# Altium PCB MC3.PcbDoc (part 1 of 4) (continued)
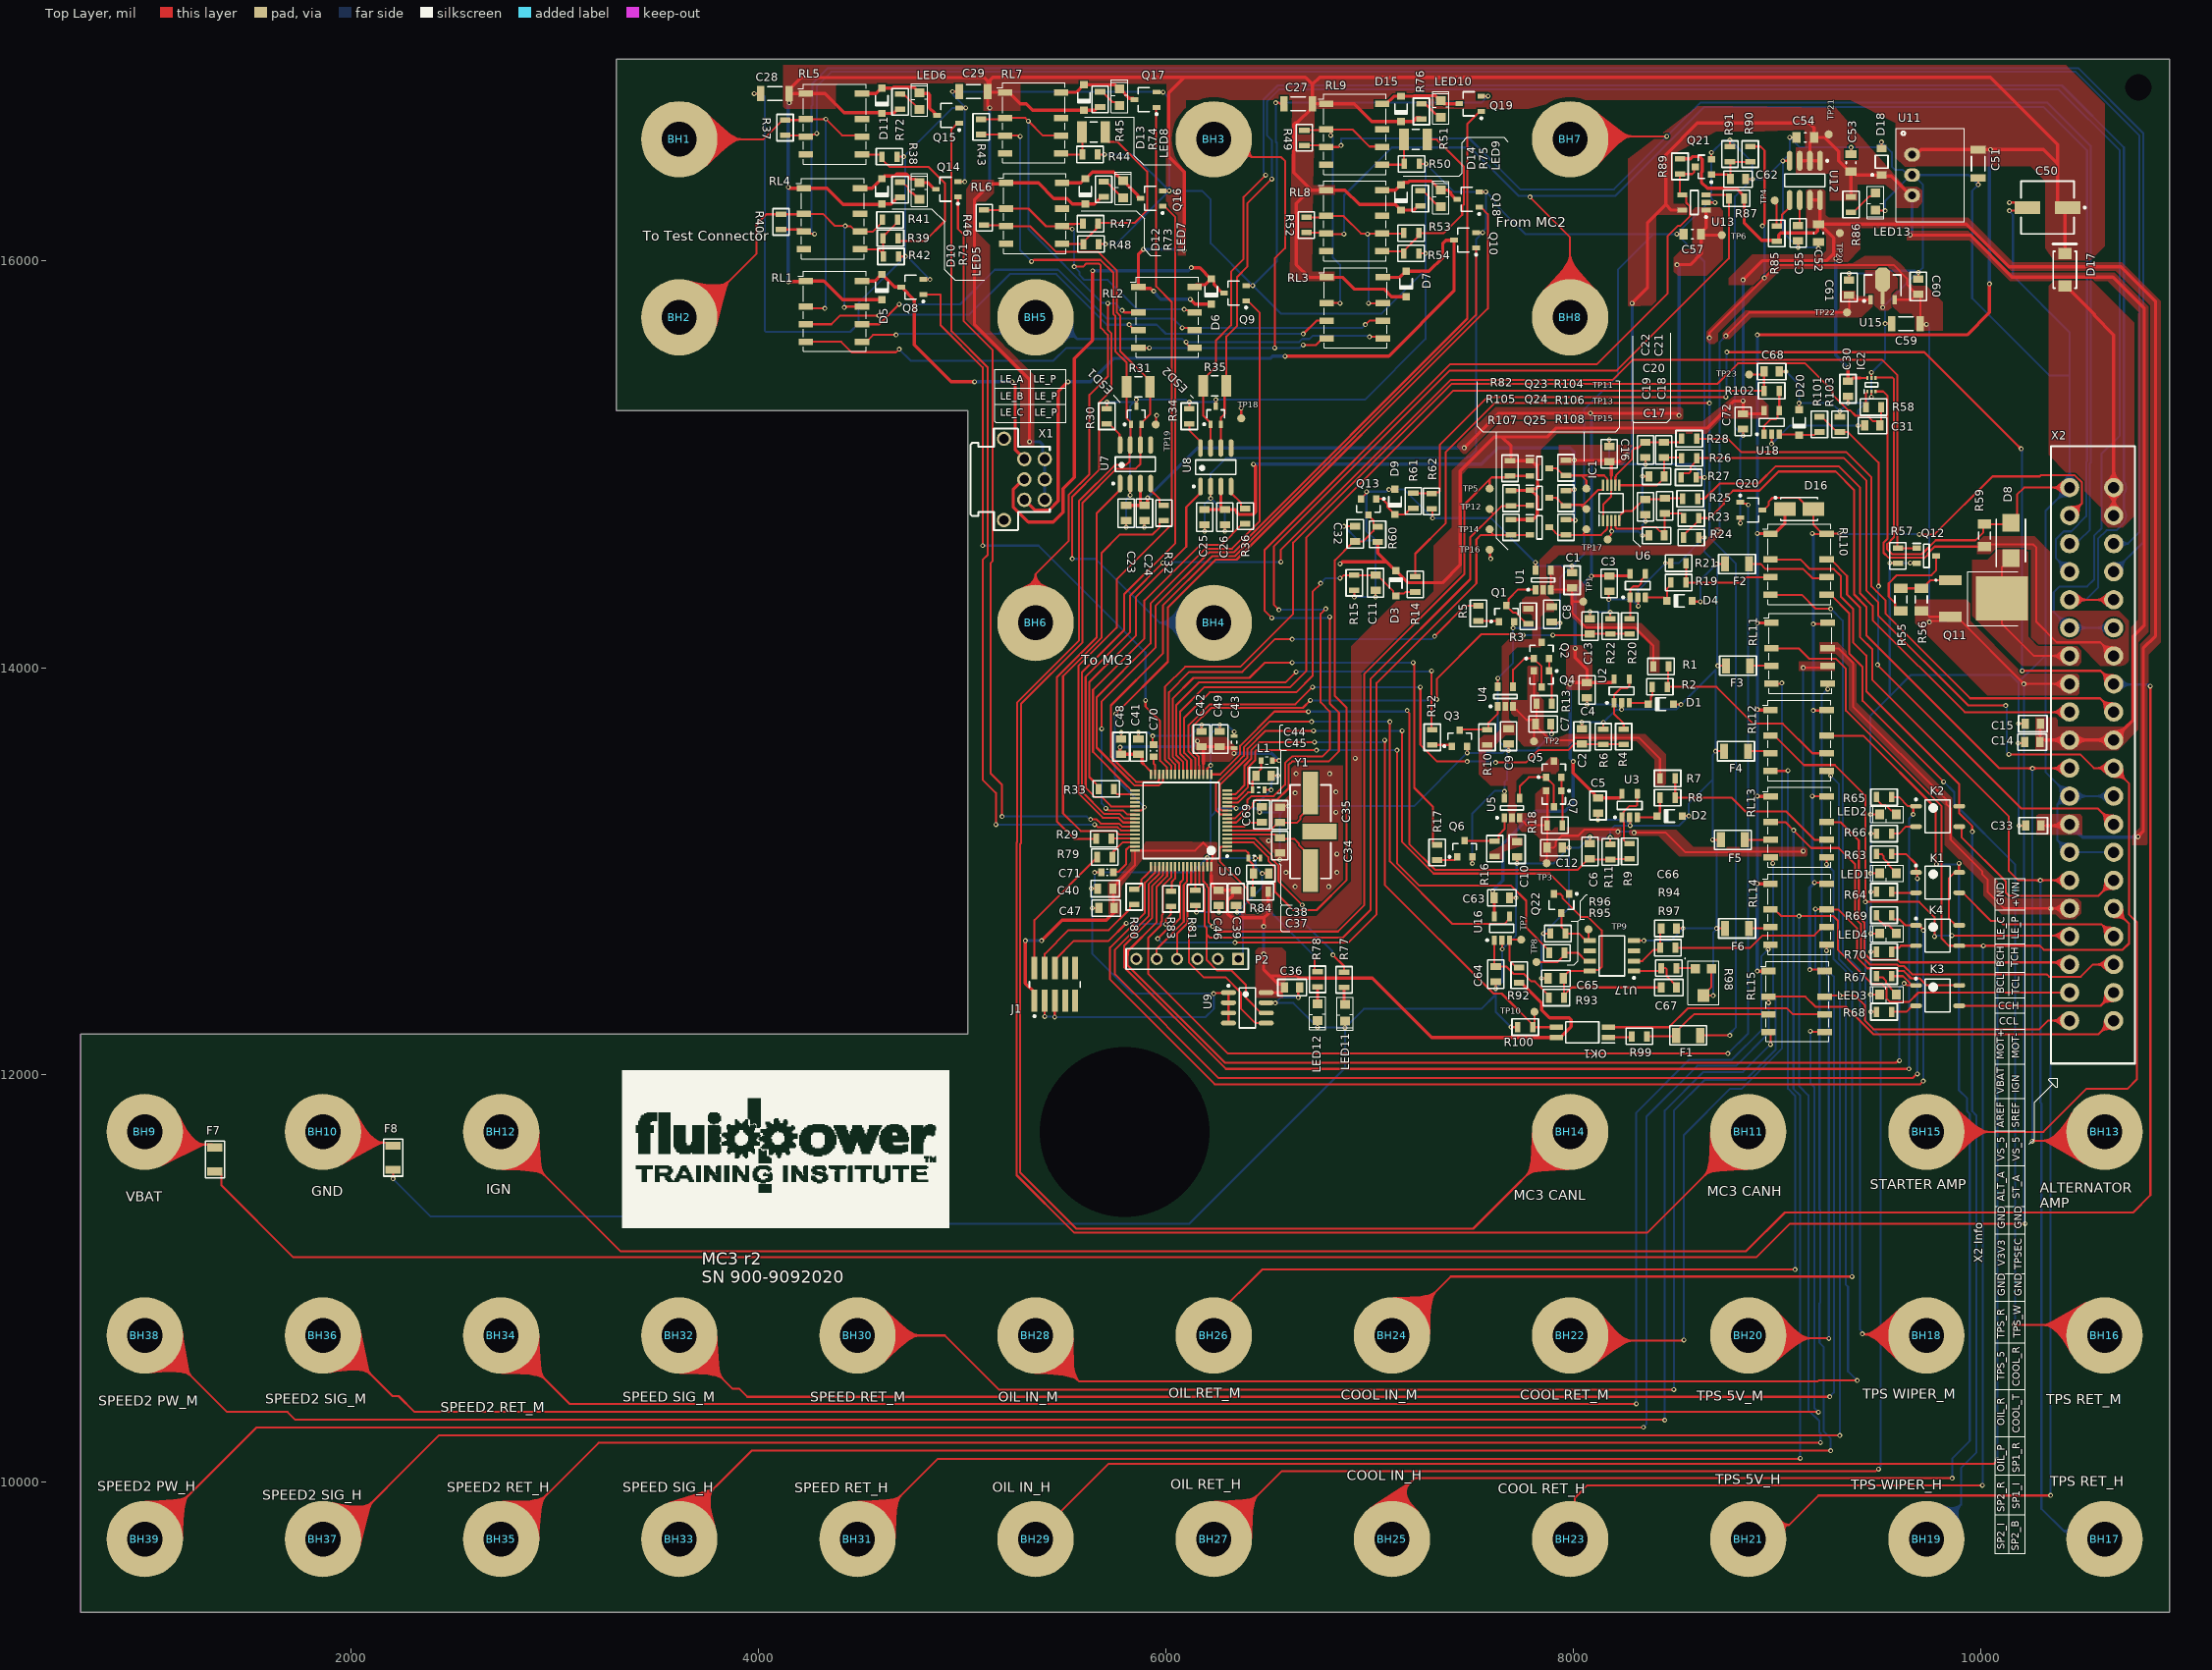
[diagram p0: Top Layer view]
## Components (designator, comment, footprint, x,y, rotation, side; value= is the part's Value field where it differs from the comment) (continued)
D9 "1N4148W-7-F" DIOD-SOD123-2_V 7125,14815 r270 top (schematic designator D11)
D10 "1N4148W-7-F" DIOD-SOD123-2_V 4605,16340 r270 top (schematic designator D3)
D11 "1N4148W-7-F" DIOD-SOD123-2_V 4605,16785 r270 top (schematic designator D3)
D12 "1N4148W-7-F" DIOD-SOD123-2_V 5605,16340 r270 top (schematic designator D3)
D13 "1N4148W-7-F" DIOD-SOD123-2_V 5597.28,16800.98 r270 top (schematic designator D3)
D14 "1N4148W-7-F" DIOD-SOD123-2_V 7155,16310 r270 top (schematic designator D3)
D15 "1N4148W-7-F" DIOD-SOD123-2_V 7155,16745 r270 top (schematic designator D3)
D16 "STTH102AY" DIOM4326X26M 9110,14780 r0 top (schematic designator D4)
D17 "STPS2H100A" STM-SMA-2_V 10415,15955 r90 top (schematic designator D9)
D18 "MMSZ4690T1G" ONSC-SOD-123-2-425-04_V 9515,16485 r90 top (schematic designator D10)
D20 "1N4148W-7-F" DIOD-SOD123-2_V 9110,15205 r270 top (schematic designator D13)
ESD1 "ESDCAN06-2BWY" SOT65P210X110-3N 5855,15239.57 r90 top
ESD2 "ESDCAN06-2BWY" SOT65P210X110-3N 6245,15240 r90 top (schematic designator ESD1)
F1 "It=0.75A" 0ZCJ0035AF2E_FUSE 8565,12195 r180 top (schematic designator F7)
F2 "It=0.75A" 0ZCJ0035AF2E_FUSE 8805,14510 r180 top (schematic designator F1)
F3 "It=0.75A" 0ZCJ0035AF2E_FUSE 8810,14010 r180 top (schematic designator F2)
F4 "It=0.75A" 0ZCJ0035AF2E_FUSE 8800,13590 r180 top (schematic designator F3)
F5 "It=0.75A" 0ZCJ0035AF2E_FUSE 8785,13155 r180 top (schematic designator F4)
F6 "It=0.75A" 0ZCJ0035AF2E_FUSE 8805,12720 r180 top
F7 "It=0.75A" 0ZCJ0035AF2E_FUSE 1330,11585 r270 top (schematic designator F8)
F8 "It=0.75A" 0ZCJ0035AF2E_FUSE 2205,11594.06 r270 top (schematic designator F5)
IC1 "ADS1015B" SOP50P490X110-10N 8187.4,14810 r90 top
IC2 "INA185A2" SOTFL50P160X60-6N 9465,15390 r90 top
J1 "SWD CONNECTOR" SMTC-FTSH-105-01-L-DV-K_V 5455,12445 r0 top
K1 "CPC1114N" SOP254P610X206-4N 9790,12945 r0 top (schematic designator K2)
K2 "CPC1114N" SOP254P610X206-4N 9790,13270 r0 top
K3 "CPC1114N" SOP254P610X206-4N 9790,12390 r0 top (schematic designator K2)
K4 "CPC1019N" SOP254P610X206-4N 9790,12685 r0 top (schematic designator K1)
L1 "MPZ1608S601ATA00" INDC1608X06L 6495,13544.8 r180 top
LED1 "GREEN" LED0805 9546.34,12990 r0 top (schematic designator LED7)
LED2 "GREEN" LED0805 9546.34,13280 r0 top (schematic designator LED7)
LED3 "GREEN" LED0805 9546.34,12395 r0 top (schematic designator LED7)
LED4 "GREEN" LED0805 9546.34,12695 r0 top (schematic designator LED6)
LED5 "GREEN" LED0805 4790,16341.34 r270 top (schematic designator LED3)
LED6 "GREEN" LED0805 4790,16783.66 r270 top (schematic designator LED3)
LED7 "GREEN" LED0805 5790,16350 r270 top (schematic designator LED3)
LED8 "GREEN" LED0805 5772.28,16802.32 r270 top (schematic designator LED3)
LED9 "GREEN" LED0805 7350,16305 r270 top (schematic designator LED3)
LED10 "GREEN" LED0805 7350,16745 r270 top (schematic designator LED3)
LED11 "GREEN" LED0805 6880,12306.34 r90 top (schematic designator LED1)
LED12 "YELLOW" LED0805 6745,12308.66 r90 top (schematic designator LED2)
LED13 "RED" LED0805 9485,16290 r90 top (schematic designator LED4)
OK1 "TLP292" SOIC127P700X220-4N 8045,12210 r180 top
P2 "Header 6" HDR1X6 6355,12570 r180 top (schematic designator P1)
Q1 "MMBT3904LT1G" ONSC-SOT-23-3-318-08_V 7672.6,14266.22 r90 top (schematic designator Q5)
Q2 "MMBT3904LT1G" ONSC-SOT-23-3-318-08_V 7845,14085 r90 top (schematic designator Q6)
Q3 "MMBT3904LT1G" ONSC-SOT-23-3-318-08_V 7442.68,13653.67 r90 top (schematic designator Q7)
Q4 "MMBT3904LT1G" ONSC-SOT-23-3-318-08_V 7845,13945 r270 top (schematic designator Q8)
Q5 "MMBT3904LT1G" ONSC-SOT-23-3-318-08_V 7904.92,13502.19 r90 top (schematic designator Q9)
Q6 "MMBT3904LT1G" ONSC-SOT-23-3-318-08_V 7467.6,13110.87 r90 top (schematic designator Q10)
Q7 "MMBT3904LT1G" ONSC-SOT-23-3-318-08_V 7905,13356.5 r270 top (schematic designator Q11)
Q8 "DTD123YKT146" SOT95P280X130-3N 4755,15870 r180 top (schematic designator Q1)
Q9 "DTD123YKT146" SOT95P280X130-3N 6340,15840 r180 top (schematic designator Q1)
Q10 "DTD123YKT146" SOT95P280X130-3N 7469.13,16100 r180 top (schematic designator Q1)
Q11 "FDD4685" FFSD10120A 9980.59,14340 r270 top (schematic designator Q14)
Q12 "BSS138" SOT-23-3 9735,14550 r0 top (schematic designator Q15)
Q13 "MMBT3904LT1G" ONSC-SOT-23-3-318-08_V 6995,14790 r270 top
Q14 "DTD123YKT146" SOT95P280X130-3N 4925,16350 r180 top (schematic designator Q2)
Q15 "DTD123YKT146" SOT95P280X130-3N 4930.87,16712.4 r180 top (schematic designator Q2)
Q16 "DTD123YKT146" SOT95P280X130-3N 5930,16305 r180 top (schematic designator Q2)
Q17 "DTD123YKT146" SOT95P280X130-3N 5900,16790 r180 top (schematic designator Q2)
Q18 "DTD123YKT146" SOT95P280X130-3N 7485,16300 r180 top (schematic designator Q2)
Q19 "DTD123YKT146" SOT95P280X130-3N 7495,16770 r180 top (schematic designator Q2)
Q20 "DTD123YKT146" SOT95P280X130-3N 8875,14775 r0 top (schematic designator Q3)
Q21 "MMBT3904LT1G" ONSC-SOT-23-3-318-08_V 8640,16460 r180 top (schematic designator Q12)
Q22 "MUN2111T1G" ONSC-SC-59-3-318D-04_V 7942.6,12842.76 r270 top (schematic designator Q4)
Q23 "BSS138" SOT-23-3 7835,14979.8 r0 top (schematic designator Q16)
Q24 "BSS138" SOT-23-3 7835,14834.8 r0 top (schematic designator Q17)
Q25 "BSS138" SOT-23-3 7835,14690 r0 top (schematic designator Q18)
R1 "4.7K 1%" R0805 8431.22,14006.7 r180 top (schematic designator R48)
R2 "10K 1%" R0805 8425.83,13906.19 r180 top (schematic designator R49)
R3 "4.7K 1%" R0805 7780,14252.6 r270 top (schematic designator R50)
R4 "1.8K 1%" R0805 8248.23,13661.19 r270 top (schematic designator R51)
R5 "4.7K 1%" R0805 7535,14267.56 r270 top (schematic designator R52)
R6 "3.24K 1%" R0805 8148.23,13661.19 r270 top (schematic designator R53)
R7 "680 1%" R0805 8464.06,13457.06 r180 top (schematic designator R54)
R8 "10K 1%" R0805 8464.06,13362.06 r180 top (schematic designator R55)
R9 "1.8K 1%" R0805 8277.6,13098.59 r270 top (schematic designator R56)
R10 "4.7K 1%" R0805 7577.68,13658.67 r90 top (schematic designator R57)
R11 "3.24K 1%" R0805 8182.6,13095.99 r270 top (schematic designator R58)
R12 "4.7K 1%" R0805 7308.35,13658.67 r270 top (schematic designator R59)
R13 "39 1%" R0805 7857.68,13823.67 r0 top (schematic designator R60)
R14 "10K 1%" R0805 7225,14410 r270 top (schematic designator R61)
R15 "2.7K 1%" R0805 6925,14417.6 r90 top (schematic designator R62)
R16 "4.7K 1%" R0805 7615,13111.5 r90 top (schematic designator R63)
R17 "4.7K 1%" R0805 7332.32,13092.82 r270 top (schematic designator R64)
R18 "39 1%" R0805 7910,13226.5 r0 top (schematic designator R65)
R19 "10K 1%" R0805 8517.6,14418.91 r180 top (schematic designator R66)
R20 "1.8K 1%" R0805 8277.6,14203.91 r270 top (schematic designator R67)
R21 "1M 1%" R0805 8517.6,14513.59 r0 top (schematic designator R83)
R22 "3.24K 1%" R0805 8182.6,14203.91 r270 top (schematic designator R68)
R23 "100 1%" R0805 8580,14735 r180 top (schematic designator R33)
R24 "10K 1%" R0805 8580,14640 r180 top (schematic designator R34)
R25 "100 1%" R0805 8575,14830 r180 top (schematic designator R35)
R26 "100 1%" R0805 8570,15030 r180 top (schematic designator R36)
R27 "10K 1%" R0805 8567.4,14935 r180 top (schematic designator R37)
R28 "100 1%" R0805 8570,15125 r180 top (schematic designator R38)
R29 "22" R0805 5695,13160 r180 top (schematic designator R10)
R30 "0 OHM" R0805 5710,15235 r270 top (schematic designator R11)
R31 "120 1/2W" RESC3225X60X45NL20T20 5865,15379.57 r180 top (schematic designator R12)
R32 "22" R0805 5990,14760 r90 top (schematic designator R13)
R33 "22" R0805 5707.6,13405 r180 top (schematic designator R10)
R34 "0 OHM" R0805 6115,15235 r270 top (schematic designator R11)
R35 "120 1/2W" RESC3225X60X45NL20T20 6240,15385 r180 top (schematic designator R12)
R36 "22" R0805 6390,14745 r90 top (schematic designator R13)
R37 "0 OHM" R0805 4130,16652.6 r90 top (schematic designator R14)
R38 "0 OHM" R0805 4642.4,16510 r180 top (schematic designator R15)
R39 "0 OHM" R0805 4647.4,16110 r0 top (schematic designator R16)
R40 "0 OHM" R0805 4110,16190 r90 top (schematic designator R17)
R41 "0 OHM" R0805 4645,16200 r0 top (schematic designator R18)
R42 "0 OHM" R0805 4650,16020 r180 top (schematic designator R19)
R43 "0 OHM" R0805 5092.8,16655.98 r90 top (schematic designator R20)
R44 "0 OHM" R0805 5627.8,16520.98 r180 top (schematic designator R21)
R45 "120 1/2W" RESC3225X60X45NL20T20 5644.88,16630.98 r180 top (schematic designator R22)
R46 "0 OHM" R0805 5107.8,16210.98 r90 top (schematic designator R23)
R47 "0 OHM" R0805 5630.2,16180.98 r0 top (schematic designator R24)
R48 "0 OHM" R0805 5632.8,16080.98 r180 top (schematic designator R25)
R49 "0 OHM" R0805 6680,16602.6 r90 top (schematic designator R26)
R50 "0 OHM" R0805 7207.4,16475 r180 top (schematic designator R27)
R51 "120 1/2W" RESC3225X60X45NL20T20 7227.09,16595 r180 top (schematic designator R28)
R52 "0 OHM" R0805 6690,16175 r90 top (schematic designator R29)
R53 "0 OHM" R0805 7205,16135 r0 top (schematic designator R30)
R54 "0 OHM" R0805 7205,16035 r180 top (schematic designator R31)
R55 "15K OHM 5% 1/2W" RESC3116X65X45NL15T20 9710,14335 r270 top (schematic designator R89)
R56 "15K OHM 5% 1/2W" RESC3116X65X45NL15T20 9610,14335 r90 top (schematic designator R90)
R57 "22K" R0805 9595,14550 r90 top (schematic designator R91)
R58 "330 1%" R0805 9475,15280 r180 top (schematic designator R92)
R59 "0.5W 0.02 OHM 1%" RESC3116X65X45NL15T20 10020,14650 r270 top (schematic designator R93)
R60 "10K 1%" R0805 7040,14655 r270 top (schematic designator R76)
R61 "10K 1%" R0805 7215,14820 r270 top (schematic designator R77)
R62 "22K" R0805 7305,14817.6 r90 top (schematic designator R78)
R63 "1K 1%" R0805 9527.22,13085 r180 top (schematic designator R86)
R64 "680 1%" R0805 9527.22,12900 r0 top (schematic designator R87)
R65 "1K 1%" R0805 9527.22,13365 r180 top (schematic designator R86)
R66 "680 1%" R0805 9527.22,13185 r0 top (schematic designator R87)
R67 "1K 1%" R0805 9527.22,12485.61 r180 top (schematic designator R86)
R68 "680 1%" R0805 9527.22,12310 r0 top (schematic designator R87)
R69 "1K 1%" R0805 9527.22,12785 r180 top (schematic designator R84)
R70 "680 1%" R0805 9527.22,12605 r0 top (schematic designator R85)
R71 "10K 1%" R0805 4695,16347.4 r90 top (schematic designator R32)
R72 "10K 1%" R0805 4695,16780 r90 top (schematic designator R32)
R73 "10K 1%" R0805 5695,16350 r90 top (schematic designator R32)
R74 "10K 1%" R0805 5677.28,16790.98 r90 top (schematic designator R32)
R75 "10K 1%" R0805 7250,16305 r90 top (schematic designator R32)
R76 "10K 1%" R0805 7255,16732.4 r90 top (schematic designator R32)
R77 "330 1%" R0805 6875,12467.68 r90 top (schematic designator R3)
R78 "330 1%" R0805 6745,12470 r90 top (schematic designator R4)
R79 "22" R0805 5700,13070 r0 top (schematic designator R1)
R80 "22" R0805 5845,12875 r90 top (schematic designator R2)
R81 "330 1%" R0805 6145,12870 r90 top (schematic designator R5)
R82 "2.7K 1%" R0805 7690,14979.8 r90 top (schematic designator R6)
R83 "22" R0805 6025,12865 r90 top (schematic designator R7)
R84 "0 OHM" R0805 6465,12899.8 r180 top (schematic designator R8)
R85 "10K 1%" R0805 9000,16132.6 r270 top (schematic designator R69)
R86 "330 1%" R0805 9365,16275 r90 top (schematic designator R70)
R87 "10K 1%" R0805 8802.4,16305 r0 top (schematic designator R71)
R89 "10K 1%" R0805 8525,16462.4 r90 top (schematic designator R73)
R90 "10K 1%" R0805 8870,16522.4 r270 top (schematic designator R74)
R91 "2.7K 1%" R0805 8770,16522.4 r270 top (schematic designator R75)
R92 "10K 1%" R0805 7735,12490 r270 top (schematic designator R39)
R93 "22" R0805 7917.6,12380 r0 top (schematic designator R40)
R94 "22K" R0805 8465,12625 r180 top (schematic designator R41)
R95 "330 1%" R0805 7920,12600 r180 top (schematic designator R42)
R96 "10K 1%" R0805 7925,12695 r0 top (schematic designator R43)
R97 "22K" R0805 8470,12525 r180 top (schematic designator R44)
R98 "2K POT" TC33X 8640,12450 r180 top (schematic designator R45)
R99 "10K 1%" R0805 8325,12190 r0 top (schematic designator R46)
R100 "10K 1%" R0805 7765,12235 r0 top (schematic designator R47)
R101 "330 1%" R0805 9210,15195 r270 top (schematic designator R9)
R102 "1.8K 1%" R0805 8975,15360 r180 top (schematic designator R79)
R103 "1M 1%" R0805 9310,15195 r270 top (schematic designator R80)
R104 "2.7K 1%" R0805 7965,14982.2 r90 top (schematic designator R81)
R105 "2.7K 1%" R0805 7695,14832.4 r90 top (schematic designator R82)
R106 "2.7K 1%" R0805 7965,14832.4 r90 top (schematic designator R88)
R107 "10K 1%" R0805 7695,14690 r90 top (schematic designator R94)
R108 "10K 1%" R0805 7965,14690 r90 top (schematic designator R95)
RL1 "G6K-2G-Y-24VDC" G6K-2F-Y#1 4370,15900 r270 top
RL2 "G6K-2G-Y-24VDC" G6K-2F-Y#2 6002.8,15870.98 r270 top (schematic designator RL1)
RL3 "G6K-2G-Y-24VDC" G6K-2F-Y#2 6927.8,15917.6 r270 top (schematic designator RL1)
RL4 "G6K-2G-Y-24VDC" G6K-2F-Y#1 4360,16355 r270 top (schematic designator RL2)
RL5 "G6K-2G-Y-24VDC" G6K-2F-Y#1 4370,16820 r270 top (schematic designator RL2)
RL6 "G6K-2G-Y-24VDC" G6K-2F-Y#2 5352.8,16380.98 r270 top (schematic designator RL2)
RL7 "G6K-2G-Y-24VDC" G6K-2F-Y#2 5347.8,16825.98 r270 top (schematic designator RL2)
RL8 "G6K-2G-Y-24VDC" G6K-2F-Y#2 6925,16345 r270 top (schematic designator RL2)
RL9 "G6K-2G-Y-24VDC" G6K-2F-Y#2 6925,16770 r270 top (schematic designator RL2)
RL10 "G6K-2G-Y-24VDC" G6K-2F-Y#2 9107.2,14657.6 r270 top (schematic designator RL3)
RL11 "G6K-2G-Y-24VDC" G6K-2F-Y#2 9112.2,14220.98 r270 top (schematic designator RL3)
RL12 "G6K-2G-Y-24VDC" G6K-2F-Y#2 9107.2,13792.6 r270 top (schematic designator RL3)
RL13 "G6K-2G-Y-24VDC" G6K-2F-Y#2 9107.8,13367.6 r270 top (schematic designator RL3)
RL14 "G6K-2G-Y-24VDC" G6K-2F-Y#2 9107.2,12939.28 r270 top (schematic designator RL3)
RL15 "G6K-2G-Y-24VDC" G6K-2F-Y#2 9097.8,12510.98 r270 top (schematic designator RL3)
TP1 "T" TESTPOINTSMD_1x1MM#1 8050,14325 r180 top (schematic designator TP5)
TP2 "T" TESTPOINTSMD_1x1MM#1 7807.68,13638.67 r180 top (schematic designator TP6)
TP3 "T" TESTPOINTSMD_1x1MM#1 7870,13040 r180 top (schematic designator TP7)
TP4 "T" TESTPOINTSMD_1x1MM#2 8990,16295 r270 top (schematic designator TP8)
TP5 "T" TESTPOINTSMD_1x1MM#2 7590,14880 r90 top (schematic designator TP14)
TP6 "T" TESTPOINTSMD_1x1MM#2 8730.32,16125 r90 top (schematic designator TP10)
TP7 "T" TESTPOINTSMD_1x1MM#2 7745,12665 r90 top (schematic designator TP1)
TP8 "T" TESTPOINTSMD_1x1MM#2 7820,12555 r180 top (schematic designator TP2)
TP9 "T" TESTPOINTSMD_1x1MM#2 8075,12715 r180 top (schematic designator TP3)
TP10 "T" TESTPOINTSMD_1x1MM#2 7810,12310 r180 top (schematic designator TP4)
TP11 "T" TESTPOINTSMD_1x1MM#2 8065,14880 r90 top (schematic designator TP15)
TP12 "T" TESTPOINTSMD_1x1MM#2 7590,14780 r90 top (schematic designator TP16)
TP13 "T" TESTPOINTSMD_1x1MM#2 8065,14780 r90 top (schematic designator TP17)
TP14 "T" TESTPOINTSMD_1x1MM#2 7590,14680 r90 top (schematic designator TP18)
TP15 "T" TESTPOINTSMD_1x1MM#2 8065,14680 r90 top (schematic designator TP19)
TP16 "T" TESTPOINTSMD_1x1MM#2 7590,14580 r90 top (schematic designator TP20)
TP17 "T" TESTPOINTSMD_1x1MM#2 8170,14630 r90 top (schematic designator TP21)
TP18 "T" TESTPOINTSMD_1x1MM#2 6370,15225 r90 top (schematic designator TP22)
TP19 "T" TESTPOINTSMD_1x1MM#2 5950,15195 r90 top (schematic designator TP23)
TP20 "T" TESTPOINTSMD_1x1MM#2 9310,16135 r90 top (schematic designator TP9)
TP21 "T" TESTPOINTSMD_1x1MM#2 9255,16620 r90 top (schematic designator TP11)
TP22 "T" TESTPOINTSMD_1x1MM#2 9345,15745 r90 top (schematic designator TP12)
TP23 "T" TESTPOINTSMD_1x1MM#2 8865,15440 r90 top (schematic designator TP13)
U1 "ADR395AUJZ-REEL7" ADI-UJ-5_M 7852.6,14431.5 r90 top (schematic designator U6)
U2 "OPA316QDBVRQ1" DBV0005A_M 8238.23,13886.19 r90 top (schematic designator U7)
U3 "OPA316QDBVRQ1" DBV0005A_M 8277.6,13323.59 r90 top (schematic designator U8)
U4 "ADR395AUJZ-REEL7" ADI-UJ-5_M 7667.68,13858.67 r90 top (schematic designator U9)
U5 "ADR395AUJZ-REEL7" ADI-UJ-5_M 7700,13311.5 r90 top (schematic designator U10)
U6 "OPA316QDBVRQ1" DBV0005A_M 8317.6,14403.91 r90 top (schematic designator U11)
U7 "MCP2551-I/SN" SOIC-SN8_N 5850,14999.57 r90 top (schematic designator U3)
U8 "MCP2551-I/SN" SOIC-SN8_N 6245,14985 r90 top (schematic designator U3)
U9 "24LC256-I/SN" SOIC-SN8_L 6400,12330 r0 top (schematic designator U2)
U10 "STM32F405RGT6" STM-LQFP64_V 6075,13250 r180 top (schematic designator U1)
U11 "R-78C5.0-1.0" SIP3 9665,16420 r270 top (schematic designator U12)
U12 "MCP1725-3302E/SN" SOIC-SN8_M 9137.76,16393.5 r270 top (schematic designator U13)
U13 "STMPS2141STR" SOT95P280X145-5M 8595,16285 r180 top (schematic designator U14)
U15 "L78L08ABUTR" SOT-89_L 9520,15874.68 r90 top (schematic designator U16)
U16 "STMPS2141STR" SOT95P280X145-5M 7650,12720 r90 top (schematic designator U4)
U17 "NCV1124DR2G" ONSC-SOIC-8NB-8-751-07_V 8190,12585 r180 top (schematic designator U5)
U18 "OPA316QDBVRQ1" DBV0005A_M 8975,15205 r90 top (schematic designator U17)
X1 "1844730" "DMC 0,5/ 3-G1- 2,54 P20THR R24" 5355,14925 r270 top
X2 "1787577" "DMCV 1,5/20-G1F-3,5-LR P20THR" 10546.73,13576.1 r270 top
Y1 "8MHZ 20pf" HC49US 6710,13195 r90 top

## Footprints (in the part's own frame and the unit in brackets; to place one, negate y for a bottom-side part, rotate by r counter-clockwise, add the part's x,y. Pads: shape width x height; smd on the part's side, far side on the other; paste and mask are expansions set on the pad)
0ZCJ0035AF2E_FUSE [mm]
  rect 1x1.9 smd: 1(-1.5,0) 2(1.5,0)
  silkscreen extent -2.3,-1.2 2.3,1.2, body extent -1.6,-0.83 1.6,0.83, height 1.31
ADI-UJ-5_M [mm] "SOT23, 5-Leads, Body 2.9x1.6mm, Pitch 0.95mm, IPC Low Density"
  rect 1.15x0.7 smd: 1(-1.225,0.95) 2(-1.225,0) 3(-1.225,-0.95) 4(1.225,-0.95) 5(1.225,0.95)
  silkscreen extent -1.35,-1.45 0.25,1.97, body extent -0.8,-1.45 0.8,1.45, height 1
BananaHole [mil] "Hole for banana s"
  round 375 hole 172: 1(0,0)
C0805 [mm]
  rect 0.9x1.3 smd: 1(-0.95,0) 2(0.95,0)
  silkscreen extent -1.78,-1.02 1.78,1.02, body extent -1,-0.6 1,0.6, height 1.5
CAPC1608X09M [mm] "Chip Capacitor, 2-Leads, Body 1.60x0.80mm, IPC Low Density"
  rect 0.85x0.95 smd: 1(-0.75,0) 2(0.75,0)
  silkscreen extent -0.05,-0.4 0.05,0.4, body extent -0.87,-0.48 0.87,0.48, height 0.87
CAPC1608X90X20LL10 [mm] "Chip Capacitor, 2-Leads, Body 1.70x0.90mm, IPC High Density"
  rect 0.45x0.85 smd: 1(-0.75,0) 2(0.75,0)
  silkscreen extent -0.15,-0.33 0.15,0.33, body extent -0.85,-0.45 0.85,0.45, height 0.9
CAPC2012X14M [mm] "Chip Capacitor, 2-Leads, Body 2.00x1.25mm, IPC Low Density"
  rect 1x1.38 smd: 1(-1.1,0) 2(1.1,0)
  silkscreen extent -0.1,-0.59 0.1,0.59, body extent -1.05,-0.67 1.05,0.67, height 1.35
CAPC3216X180X20ML20 [mm] "Chip Capacitor, 2-Leads, Body 3.40x1.80mm, IPC Low Density"
  rect 0.95x1.9 smd: 1(-1.775,0) 2(1.775,0)
  silkscreen extent -0.9,-0.85 0.9,0.85, body extent -1.7,-0.9 1.7,0.9, height 1.8
DBV0005A_M [mm] "SOT23, 5-Leads, Body 3.05x1.75mm, Pitch 0.95mm, IPC Low Density"
  rrect15% 1.2x0.65 smd: 1(-1.475,0.95) 2(-1.475,0) 3(-1.475,-0.95) 4(1.475,-0.95) 5(1.475,0.95)
  silkscreen extent -1.6,-1.55 0.5,1.95, body extent -1.42,-1.46 1.42,1.46, height 1.08
DIOD-SOD123-2_V [mm] "SOD123, 2-Leads, Body 2.7x1.55mm, Height 1.45mm"
  rect 0.9x0.95 smd: 1(-1.575,0) 2(1.575,0)
  silkscreen extent -0.64,-0.82 0.64,0.77, body extent -1.35,-0.77 1.35,0.77, height 1.45
DIOM4326X26M [mm] "Molded Diode, 2-Leads, Body 4.28x2.58mm, IPC Low Density"
  rect 2.65x1.7 smd: 1(-1.775,0) 2(1.775,0)
  silkscreen extent -3.07,-1.45 2.3,1.52, body extent -2.52,-1.45 2.52,1.45, height 2.65
DIOM5436X265N [mm]
  rect 2.2x2.15 smd: 1(-2.2,0) 2(2.2,0)
  silkscreen extent -3.27,-1.81 2.68,1.81, body extent -2.68,-1.81 2.68,1.81, height 2.65
"DMC 0,5/ 3-G1- 2,54 P20THR R24" [mm] "Pluggable terminal bolc 1844730"
  round 1.8 hole 1.2: 1(-2.54,1.27) 2(-2.54,-1.27) 3(0,1.27) 4(0,-1.27) 5(2.54,1.27) 6(2.54,-1.27) ""(-5.08,-3.81) ""(5.08,-3.81)
  silkscreen extent -6.35,-8 6.35,1.91, body extent -6.1,-8.05 6.11,1.87, height 7.39
"DMCV 1,5/20-G1F-3,5-LR P20THR" [mm] "1787577  footprint"
  round 2.4 hole 1.4: 1(-33.25,2.75) 2(-33.25,-2.75) 3(-29.75,2.75) 4(-29.75,-2.75) 5(-26.25,2.75) 6(-26.25,-2.75) 7(-22.75,2.75) 8(-22.75,-2.75) 9(-19.25,2.75) 10(-19.25,-2.75) 11(-15.75,2.75) 12(-15.75,-2.75) 13(-12.25,2.75) 14(-12.25,-2.75) 15(-8.75,2.75) 16(-8.75,-2.75) 17(-5.25,2.75) 18(-5.25,-2.75) 19(-1.75,2.75) 20(-1.75,-2.75) 21(1.75,2.75) 22(1.75,-2.75) 23(5.25,2.75) 24(5.25,-2.75) 25(8.75,2.75) 26(8.75,-2.75) 27(12.25,2.75) 28(12.25,-2.75) 29(15.75,2.75) 30(15.75,-2.75) 31(19.25,2.75) 32(19.25,-2.75) 33(22.75,2.75) 34(22.75,-2.75) 35(26.25,2.75) 36(26.25,-2.75) 37(29.75,2.75) 38(29.75,-2.75) 39(33.25,2.75) 40(33.25,-2.75)
  silkscreen extent -38.4,-5.1 38.6,5.4, body extent -38.35,-5.16 38.65,5.44, height 10.12
FFSD10120A [mm]
  rect 1.25x2.85 smd: 1(-2.28,-3.24) 2(2.28,-3.24)
  rect 5.5x6.5 smd: 3(0,3.16)
  silkscreen extent -3.36,-5.14 3.36,5.14, body extent -3.37,-4.28 3.38,5.7, height 2.39
G6K-2F-Y#1 [mm] "Footprint for G6K-2F-Y Omrom relays"
  rect 0.8x1.8 smd: 1(0,-3.5) 2(3.2,-3.5) 3(5.4,-3.5) 4(7.6,-3.5) 5(7.6,3.5) 6(5.4,3.5) 7(3.2,3.5) 8(0,3.5)
  silkscreen extent -1.2,-4.5 8.8,4, body extent -1.2,-3.8 8.8,4, height 5.21
G6K-2F-Y#2 [mm] "Footprint for G6K-2F-Y Omrom relays"
  rect 0.8x1.8 smd paste+0 mask+0.102: 1(0,-3.5) 2(3.2,-3.5) 3(5.4,-3.5) 4(7.6,-3.5) 5(7.6,3.5) 6(5.4,3.5) 7(3.2,3.5) 8(0,3.5)
  silkscreen extent -1.2,-4.5 8.8,4, body extent -1.2,-3.8 8.8,4, height 5.21
HC49US [mil]
  rect 210x76 smd: 1(-190,0) 2(190,0)
  rect 76x168 smd: ""(0,-44.63)
  silkscreen extent -230,-100 230,100, body extent -250,-93 250,93, height 166
HDR1X6 [mm] "Connector; Header; 6 Position"
  rect 1.5x1.5 hole 0.9: 1(0,0)
  round 1.5 hole 0.9: 2(2.54,0) 3(5.08,0) 4(7.62,0) 5(10.16,0) 6(12.7,0)
  silkscreen extent -1.27,-1.27 13.97,1.27
INDC1608X06L [mm] "Chip Inductor, 2-Leads, Body 1.60x0.80mm, IPC High Density"
  rect 0.6x0.8 smd: 1(-0.7,0) 2(0.7,0)
  silkscreen extent -0.19,-0.48 0.17,0.46, body extent -0.88,-0.48 0.87,0.48, height 0.6
LED0805 [mm]
  rect 1.1x1.2 smd: 1(-1.05,0) 2(1.05,0)
  silkscreen extent -2.16,-1.02 1.91,1.02, body extent -1,-0.62 1,0.63, height 0.68
ONSC-SC-59-3-318D-04_V [mm] "SOT23, 3-Leads, Body 2.9x1.5mm, Pitch 0.95mm"
  rect 1x0.8 smd: 1(-1.2,0.95) 2(-1.2,-0.95) 3(1.2,0)
  silkscreen extent -1.32,-1.55 0.75,2.03, body extent -1.4,-1.5 1.4,1.5, height 1.4
ONSC-SOD-123-2-425-04_V [mm] "SOD, 2-Leads, Body 2.69x1.6mm"
  rect 0.91x1.22 smd: 1(-1.635,0) 2(1.635,0)
  silkscreen extent -1.76,-0.8 0.78,1.28, body extent -1.35,-0.8 1.35,0.8, height 1.35
ONSC-SOIC-8NB-8-751-07_V [mm] "SOIC, 8-Leads, Body 5x4mm, Pitch 1.27mm"
  rect 1.52x0.6 smd: 1(-2.76,1.905) 2(-2.76,0.635) 3(-2.76,-0.635) 4(-2.76,-1.905) 5(2.76,-1.905) 6(2.76,-0.635) 7(2.76,0.635) 8(2.76,1.905)
  silkscreen extent -2.89,-2.5 1.6,2.88, body extent -2,-2.5 2,2.5, height 1.75
ONSC-SOT-23-3-318-08_V [mm] "SOT23, 3-Leads, Body 2.92x1.3mm, Pitch 0.95mm"
  rect 0.9x0.8 smd: 1(-1,0.95) 2(-1,-0.95) 3(1,0)
  silkscreen extent -1.12,-1.46 0.65,2.02, body extent -0.65,-1.46 0.65,1.46, height 1.11
PNSC-EEE-HA1H470XP-2_V [mm] "SMD, 2-Leads, Body 6.6x6.6mm, Height 8mm"
  rect 1.6x3.2 smd: 1(0,2.5) 2(0,-2.5)
  silkscreen extent -3.3,-3.3 3.3,4.78, body extent -3.3,-3.65 3.3,3.65, height 8
R0805 [mm]
  rect 0.7x1.3 smd: 1(-0.95,0) 2(0.95,0)
  silkscreen extent -1.65,-1.02 1.65,1.02, body extent -1,-0.6 1,0.6, height 0.7
RESC3116X65X45NL15T20 [mm] "Chip Resistor, 2-Leads, Body 3.25x1.7mm, IPC Medium Density"
  rect 1.15x1.7 smd: 1(-1.4,0) 2(1.4,0)
  silkscreen extent -0.45,-0.75 0.45,0.75, body extent -1.63,-0.85 1.63,0.85, height 0.65
RESC3225X60X45NL20T20 [mm] "Chip Resistor, 2-Leads, Body 3.20x2.50mm, IPC Medium Density"
  rect 1.2x2.7 smd: 1(-1.45,0) 2(1.45,0)
  silkscreen extent -0.45,-1.25 0.45,1.25, body extent -1.7,-1.35 1.7,1.35, height 0.6
SIP3 [mm] "Package for R-78Cxx-1.0"
  oval 1.7x2 hole 1 paste+0 mask+0.102: 1(-2.54,0) 2(0,0) 3(2.54,0)
  silkscreen extent -5.8,-2 5.8,6.5, body extent -5.8,-2 5.8,6.5, height 10.41
SMTC-FTSH-105-01-L-DV-K_V [mm] "CONN, 10-Leads, Body 6.35x3.43mm, Pitch 1.27mm"
  rect 0.74x2.79 smd: 1(-2.54,-2.035) 2(-2.54,2.035) 3(-1.27,-2.035) 4(-1.27,2.035) 5(0,-2.035) 6(0,2.035) 7(1.27,-2.035) 8(1.27,2.035) 9(2.54,-2.035) 10(2.54,2.035)
  silkscreen extent -3.17,-4.1 3.17,0.34, body extent -3.17,-2.92 3.18,2.92, height 6.12
SOIC127P700X220-4N [mm]
  rect 1.65x0.65 smd: 1(-3.25,0.635) 2(-3.25,-0.635) 3(3.25,-0.635) 4(3.25,0.635)
  silkscreen extent -4.08,-1.33 2.07,1.33, body extent -3.5,-1.33 3.5,1.33, height 2.2
SOIC-SN8_L [mm] "SOIC, 8-Leads, Body 4.9x3.9mm, Pitch 1.27mm, IPC High Density"
  oval 1.9x0.6 smd: 1(-2.35,1.905) 2(-2.35,0.635) 3(-2.35,-0.635) 4(-2.35,-1.905) 5(2.35,-1.905) 6(2.35,-0.635) 7(2.35,0.635) 8(2.35,1.905)
  silkscreen extent -2.47,-2.5 1,2.88, body extent -2,-2.5 2,2.5, height 1.75
SOIC-SN8_M [mm] "SOIC, 8-Leads, Body 4.9x3.9mm, Pitch 1.27mm, IPC Low Density"
  oval 2.5x0.7 smd: 1(-2.45,1.905) 2(-2.45,0.635) 3(-2.45,-0.635) 4(-2.45,-1.905) 5(2.45,-1.905) 6(2.45,-0.635) 7(2.45,0.635) 8(2.45,1.905)
  silkscreen extent -2.57,-2.5 0.8,2.93, body extent -2,-2.5 2,2.5, height 1.75
SOIC-SN8_N [mm] "SOIC, 8-Leads, Body 4.9x3.9mm, Pitch 1.27mm, IPC Medium Density"
  oval 2.2x0.6 smd: 1(-2.4,1.905) 2(-2.4,0.635) 3(-2.4,-0.635) 4(-2.4,-1.905) 5(2.4,-1.905) 6(2.4,-0.635) 7(2.4,0.635) 8(2.4,1.905)
  silkscreen extent -2.52,-2.5 0.9,2.88, body extent -2,-2.5 2,2.5, height 1.75
SOP50P490X110-10N [mm]
  rect 1.4x0.3 smd: 1(-2.2,1) 2(-2.2,0.5) 3(-2.2,0) 4(-2.2,-0.5) 5(-2.2,-1) 6(2.2,-1) 7(2.2,-0.5) 8(2.2,0) 9(2.2,0.5) 10(2.2,1)
  silkscreen extent -2.9,-1.5 1.15,1.5, body extent -2.45,-1.5 2.45,1.5, height 1.1
SOP254P610X206-4N [mm] "SOP, 4-Leads, Body 4.09x3.81mm, Pitch 2.54mm, IPC Medium Density"
  oval 1.5x0.6 smd: 1(-2.7,1.27) 2(-2.7,-1.27) 3(2.7,-1.27) 4(2.7,1.27)
  silkscreen extent -2.82,-2.05 1.55,2.24, body extent -3.05,-2.05 3.05,2.05, height 2.05
SOT65P210X110-3N [mm] "SOT23, 3-Leads, Body 2.00x2.10mm, Pitch 0.65mm, IPC Medium Density"
  rect 0.9x0.5 smd: 1(-1.125,0.65) 2(-1.125,-0.65) 3(1.125,0)
  silkscreen extent -1.25,-1.1 0.67,1.57, body extent -1.3,-1.1 1.3,1.1, height 1.1
SOT95P280X130-3N [mm] "SOT23, 3-Leads, Body 2.90x2.80mm, Pitch 0.95mm, IPC Medium Density"
  rect 0.95x0.6 smd: 1(-1.375,0.95) 2(-1.375,-0.95) 3(1.375,0)
  silkscreen extent -1.5,-1.5 0.9,1.92, body extent -0.9,-1.5 0.9,1.5, height 1.3
SOT95P280X145-5M [mm] "SOT23, 5-Leads, Body 2.90x2.80mm, Pitch 0.95mm, IPC Low Density"
  rect 1.2x0.65 smd: 1(-1.475,0.95) 2(-1.475,0) 3(-1.475,-0.95) 4(1.475,-0.95) 5(1.475,0.95)
  silkscreen extent -1.6,-1.5 0.5,1.95, body extent -1.6,-1.5 1.6,1.5, height 1.45
SOT-23-3 [mm]
  rect 1x0.7 smd: 1(-1.2,0.95) 2(-1.2,-0.95) 3(1.2,0)
  silkscreen extent -1.7,-1.46 0.35,1.55, body extent -1.2,-1.46 1.2,1.46, height 1.2
SOT-89_L [mm] "SOT89, 3-Leads, Body 4.5x2.4 mm, Pitch 1.5mm, Lead Span 4.1mm, IPC High Density"
  rect 1.2x0.5 smd: 1(-1.7,1.5) 3(-1.7,-1.5)
  rect 1.6x0.5 smd: 2(-1.5,0)
  oct 3x1.8 smd: 2(0.8,0)
  silkscreen extent -1.97,-2.3 1.4,2.42, body extent -1.2,-2.3 1.4,2.3, height 1.6
SOTFL50P160X60-6N [mm]
  rect 0.475x0.3 smd: 1(-0.838,0.5) 2(-0.838,0) 3(-0.838,-0.5) 4(0.838,-0.5) 5(0.838,0) 6(0.838,0.5)
  silkscreen extent -1.07,-0.8 0.25,0.9, body extent -0.8,-0.8 0.8,0.8, height 0.6
STM-LQFP64_V [mm] "Thin QFP, 64-Leads, Body 10x10mm, Pitch 0.5mm, ST Recommended"
  rect 1.2x0.3 smd: 1(-5.75,3.75) 2(-5.75,3.25) 3(-5.75,2.75) 4(-5.75,2.25) 5(-5.75,1.75) 6(-5.75,1.25) 7(-5.75,0.75) 8(-5.75,0.25) 9(-5.75,-0.25) 10(-5.75,-0.75) 11(-5.75,-1.25) 12(-5.75,-1.75) 13(-5.75,-2.25) 14(-5.75,-2.75) 15(-5.75,-3.25) 16(-5.75,-3.75) 33(5.75,-3.75) 34(5.75,-3.25) 35(5.75,-2.75) 36(5.75,-2.25) 37(5.75,-1.75) 38(5.75,-1.25) 39(5.75,-0.75) 40(5.75,-0.25) 41(5.75,0.25) 42(5.75,0.75) 43(5.75,1.25) 44(5.75,1.75) 45(5.75,2.25) 46(5.75,2.75) 47(5.75,3.25) 48(5.75,3.75)
  rect 0.3x1.2 smd: 17(-3.75,-5.75) 18(-3.25,-5.75) 19(-2.75,-5.75) 20(-2.25,-5.75) 21(-1.75,-5.75) 22(-1.25,-5.75) 23(-0.75,-5.75) 24(-0.25,-5.75) 25(0.25,-5.75) 26(0.75,-5.75) 27(1.25,-5.75) 28(1.75,-5.75) 29(2.25,-5.75) 30(2.75,-5.75) 31(3.25,-5.75) 32(3.75,-5.75) 49(3.75,5.75) 50(3.25,5.75) 51(2.75,5.75) 52(2.25,5.75) 53(1.75,5.75) 54(1.25,5.75) 55(0.75,5.75) 56(0.25,5.75) 57(-0.25,5.75) 58(-0.75,5.75) 59(-1.25,5.75) 60(-1.75,5.75) 61(-2.25,5.75) 62(-2.75,5.75) 63(-3.25,5.75) 64(-3.75,5.75)
  silkscreen extent -5.87,-4.75 4.75,4.75, body extent -5,-5 5,5, height 1.6
STM-SMA-2_V [mm] "Diode, 2-Leads, Body 4.6x2.9mm"
  rect 1.4x1.64 smd: 1(-2.015,0) 2(2.015,0)
  silkscreen extent -2.3,-1.45 3.21,1.45, body extent -2.3,-1.45 2.3,1.45, height 2.59
TC33X [mm] "TC33X"
  rect 1.2x1.2 smd: 1(-1,-1.825) 3(1,-1.825)
  rect 1.5x1.6 smd: 2(0,1.5)
  silkscreen extent -1.91,-2.79 1.91,2.67, body extent -1.8,-1.91 1.8,2.05, height 1.17
TESTPOINTSMD_1x1MM#1 [mm] "Test point pad SMD round 1mm diameter"
  round 1 smd: 1(0,0)
TESTPOINTSMD_1x1MM#2 [mm] "Test point pad SMD round 1mm diameter"
  round 1 smd paste+0 mask+0.102: 1(0,0)

## Part data
BH1 BH2 BH3 BH4 BH5 BH6 BH7 BH8 BH9 BH10 BH11 BH12 BH13 BH14 BH15 BH16 BH17 BH18 BH19 BH20 BH21 BH22 BH23 BH24 BH25 BH26 BH27 BH28 BH29 BH30 BH31 BH32 BH33 BH34 BH35 BH36 BH37 BH38 BH39: "Banana hole for panel testing and board mounting"
C1 C3 C4 C5 C7 C8 C9 C10 C11 C12 C16 C24 C26 C30 C31 C33 C36 C37 C39 C40 C41 C42 C44 C60 C61 C62 C69 C72: library part C0805C104K5RACTU, "Cap Ceramic 0.1uF 50V X7R 10% SMD 2.0 x 1.2 mm 125 C Paper T/R", Capacitance=100nF, Case Code (Imperial)=0805, Case Code (Metric)=2012, Dielectric=X7R, Dielectric Material=Ceramic, Manufacturer=KEMET, Max Operating Temperature=125°C, Min Operating Temperature=-55°C, Package Quantity=4000, Supplier Part Number 1=80-C0805C104K5R, Tolerance=10%, Voltage=500V, Voltage Rating=50V, Case/Package=0805, Category="Ceramic Capacitors", ComponentLink1Description=https://datasheet.ciiva.com/14589/70095383-14589048.pdf?src-supplier=Allied+Electronics, ComponentLink1URL=https://datasheet.ciiva.com/14589/70095383-14589048.pdf?src-supplier=Allied+Electronics, ComponentLink2Description=https://datasheet.ciiva.com/28682/1851736-28682232.pdf?src-supplier=Element14, ComponentLink2URL=https://datasheet.ciiva.com/28682/1851736-28682232.pdf?src-supplier=Element14, ComponentLink3Description=https://datasheet.ciiva.com/32431/slceramic-chip-condensers-e-32431755.pdf?src-supplier=Distrelec, ComponentLink3URL=https://datasheet.ciiva.com/32431/slceramic-chip-condensers-e-32431755.pdf?src-supplier=Distrelec, ComponentLink4Description=https://datasheet.ciiva.com/18410/70095383-18410815.pdf?src-supplier=Allied+Electronics, ComponentLink4URL=https://datasheet.ciiva.com/18410/70095383-18410815.pdf?src-supplier=Allied+Electronics, Contact Plating=Tin,Matte, Depth=1.25mm, Height=0.9mm, Lead Pitch=0.75mm, Length=2mm, Manufacturer Part Number=C0805C104K5RACTU, Mount="Surface Mount,PCB", Number of Pins=2, Packaging="Tape and Reel", Pricing 1="1=0.17000, 10=0.10400, 100=0.05600, 500=0.03900, 1000=0.03200, 4000=0.02400 (USD)", Radiation Hardening=No, REACH SVHC="No SVHC", RoHS=Yes, Stock 1=4177670, Supplier 1=Mouser, Termination=SMD/SMT, Thickness=0.035inch, Voltage Rating (DC)=50V, Width=1.2mm
C2 C6 C13 C17 C19 C20 C22 C23 C25 C32 C46 C47 C48 C49 C68: library part CC0805KRX7R9BB103, "YAGEO - CC0805KRX7R9BB103 - SMD Multilayer Ceramic Capacitor, 10000 pF, 50 V, 0805 [2012 Metric], ± 10%, X7R, CC Series", Case Code (Imperial)=0805, Case Code (Metric)=2012, Dielectric=X7R, Insulation Resistance=100GR, Manufacturer=Yageo, Max Operating Temperature=125°C, Min Operating Temperature=-55°C, Package Quantity=1, Supplier Part Number 1=603-CC805KRX7R9BB103, Tolerance=10%, Voltage=50V, Capacitance=10nF, Case/Package=0805, Category="Ceramic Capacitors", ComponentLink1Description=https://datasheet.ciiva.com/11786/0900766b80d84f1d-11786119.pdf?src-supplier=RSComponents, ComponentLink1URL=https://datasheet.ciiva.com/11786/0900766b80d84f1d-11786119.pdf?src-supplier=RSComponents, ComponentLink2Description=https://datasheet.ciiva.com/25613/0900766b8027bcf6-25613113.pdf?src-supplier=RSComponents, ComponentLink2URL=https://datasheet.ciiva.com/25613/0900766b8027bcf6-25613113.pdf?src-supplier=RSComponents, ComponentLink3Description=https://datasheet.ciiva.com/144/mlccorderingcode-144533.pdf?src-supplier=Digi-Key, ComponentLink3URL=https://datasheet.ciiva.com/144/mlccorderingcode-144533.pdf?src-supplier=Digi-Key, ComponentLink4Description=https://datasheet.ciiva.com/144/mlccorderingcode-144534.pdf?src-supplier=Digi-Key, ComponentLink4URL=https://datasheet.ciiva.com/144/mlccorderingcode-144534.pdf?src-supplier=Digi-Key, ComponentLink5Description=https://datasheet.ciiva.com/46372/1784427-46372638.pdf?src-supplier=Element14, ComponentLink5URL=https://datasheet.ciiva.com/46372/1784427-46372638.pdf?src-supplier=Element14, ComponentLink6Description=https://datasheet.ciiva.com/144/mlccorderingcode-144532.pdf?src-supplier=Digi-Key, ComponentLink6URL=https://datasheet.ciiva.com/144/mlccorderingcode-144532.pdf?src-supplier=Digi-Key, ComponentLink7Description=https://datasheet.ciiva.com/16625/upy-gphc-x7r-6-3v-to-50v-8-16625548.pdf?src-supplier=Avnet+Europe, ComponentLink7URL=https://datasheet.ciiva.com/16625/upy-gphc-x7r-6-3v-to-50v-8-16625548.pdf?src-supplier=Avnet+Europe, ComponentLink8Description=https://datasheet.ciiva.com/22749/1489800-22749215.pdf?src-supplier=Element14, ComponentLink8URL=https://datasheet.ciiva.com/22749/1489800-22749215.pdf?src-supplier=Element14, ComponentLink9Description=https://datasheet.ciiva.com/46372/1734573-46372639.pdf?src-supplier=Element14, ComponentLink9URL=https://datasheet.ciiva.com/46372/1734573-46372639.pdf?src-supplier=Element14, Composition=Ceramic, Depth=1.25mm, Halogen Free="Halogen Free", Height=0.6mm, Lead Free="Lead Free", Length=2mm, Manufacturer Part Number=CC0805KRX7R9BB103, Material=Ceramic, Mount="Surface Mount", Number of Pins=2, Packaging="Tape and Reel", Pricing 1="1=0.11000, 10=0.05700, 100=0.02600, 1000=0.02100, 4000=0.01600, 8000=0.01400 (USD)", Radiation Hardening=No, REACH SVHC="No SVHC", RoHS=Yes, Stock 1=473100, Supplier 1=Mouser, Termination=SMD/SMT, Thickness=0.024inch, Voltage Rating=50V, Voltage Rating (DC)=50V, Width=1.25mm
C14 C15 C52 C53 C54 C57 C63 C64: library part GRM21BR61C106KE15L, "CAP CER 10UF 16V X5R 0805", Capacitance=10uF, Case Code (Imperial)=0805, Case Code (Metric)=2012, Dielectric=X5R, Manufacturer=Murata, Max Operating Temperature=85°C, Min Operating Temperature=-55°C, Package Quantity=1, Supplier Part Number 1=81-GRM21BR61C106KE15, Tolerance=10%, Voltage=16V, Case/Package=0805, Category="Ceramic Capacitors", ComponentLink1Description=https://datasheet.ciiva.com/2989/product-2989696.pdf?src-supplier=Avnet, ComponentLink1URL=https://datasheet.ciiva.com/2989/product-2989696.pdf?src-supplier=Avnet, ComponentLink2Description=https://datasheet.ciiva.com/3777/1956grm21br61c106ke1523-3777137.pdf?src-supplier=Arrow, ComponentLink2URL=https://datasheet.ciiva.com/3777/1956grm21br61c106ke1523-3777137.pdf?src-supplier=Arrow, ComponentLink3Description=https://datasheet.ciiva.com/7719/1747468-7719090.pdf?src-supplier=Element14, ComponentLink3URL=https://datasheet.ciiva.com/7719/1747468-7719090.pdf?src-supplier=Element14, ComponentLink4Description=https://datasheet.ciiva.com/23628/460993-23628598.pdf?src-supplier=Newark, ComponentLink4URL=https://datasheet.ciiva.com/23628/460993-23628598.pdf?src-supplier=Newark, ComponentLink5Description=https://datasheet.ciiva.com/29202/450891-da-01-de-vs-chip-kond-0805-10-0-uf-10pr-16-0v-x5r-29202696.pdf?src-supplier=Conrad, ComponentLink5URL=https://datasheet.ciiva.com/29202/450891-da-01-de-vs-chip-kond-0805-10-0-uf-10pr-16-0v-x5r-29202696.pdf?src-supplier=Conrad, ComponentLink6Description=https://datasheet.ciiva.com/29199/454607-da-01-en-vs-kondensator-0805-29199611.pdf?src-supplier=Conrad, ComponentLink6URL=https://datasheet.ciiva.com/29199/454607-da-01-en-vs-kondensator-0805-29199611.pdf?src-supplier=Conrad, ComponentLink7Description=https://datasheet.ciiva.com/2989/product-2989697.pdf?src-supplier=Avnet, ComponentLink7URL=https://datasheet.ciiva.com/2989/product-2989697.pdf?src-supplier=Avnet, ComponentLink8Description=https://datasheet.ciiva.com/137/partnumbering-e-01-137917.pdf?src-supplier=Digi-Key, ComponentLink8URL=https://datasheet.ciiva.com/137/partnumbering-e-01-137917.pdf?src-supplier=Digi-Key, ComponentLink9Description=https://datasheet.ciiva.com/137/partnumbering-e-01-137918.pdf?src-supplier=Digi-Key, ComponentLink9URL=https://datasheet.ciiva.com/137/partnumbering-e-01-137918.pdf?src-supplier=Digi-Key, ComponentLink10Description=https://datasheet.ciiva.com/137/partnumbering-e-01-137919.pdf?src-supplier=Digi-Key, ComponentLink10URL=https://datasheet.ciiva.com/137/partnumbering-e-01-137919.pdf?src-supplier=Digi-Key, Depth=1.25mm, Height=1.25mm, Lead Free="Lead Free", Length=2mm, Manufacturer Part Number=GRM21BR61C106KE15L, Material=Ceramic, Mount="Surface Mount", Packaging="Tape and Reel", Pricing 1="1=0.31000, 10=0.21500, 100=0.12000, 500=0.08600, 1000=0.07500, 3000=0.06200 (USD)", Radiation Hardening=No, REACH SVHC="No SVHC", RoHS=Yes, Supplier 1=Mouser, Termination=SMD/SMT, Thickness=0.053inch, Voltage Rating=16V, Voltage Rating (DC)=16V, Width=1.25mm
  C14 C15 C63 C64: Stock 1=796080
  C52 C53 C54 C57: Stock 1=1115526
C18 C21 C65: library part 08053C224JAT2A, "AVX - 08053C224JAT2A - SMD Multilayer Ceramic Capacitor, 0.22 UF, 5%, X7R, 25 V, 0805 [2012 Metric] RoHS Compliant: Yes", Capacitance=220nF, Case Code (Imperial)=0805, Case Code (Metric)=2012, Dielectric=X7R, Dielectric Material=Ceramic, Manufacturer="Kyocera AVX", Max Operating Temperature=125°C, Min Operating Temperature=-55°C, Package Quantity=1, Supplier Part Number 1=581-08053C224JAT2A, Tolerance=5%, Voltage=25V, Case/Package=0805, Category="Ceramic Capacitors", ComponentLink1Description=https://datasheet.ciiva.com/5417/cx7r-218113-5417493.pdf?src-supplier=Mouser, ComponentLink1URL=https://datasheet.ciiva.com/5417/cx7r-218113-5417493.pdf?src-supplier=Mouser, ComponentLink2Description=https://datasheet.ciiva.com/16326/cx7r-16326599.pdf?src-supplier=Future+Electronics, ComponentLink2URL=https://datasheet.ciiva.com/16326/cx7r-16326599.pdf?src-supplier=Future+Electronics, ComponentLink3Description=https://datasheet.ciiva.com/162/cx7r-162344.pdf?src-supplier=Digi-Key, ComponentLink3URL=https://datasheet.ciiva.com/162/cx7r-162344.pdf?src-supplier=Digi-Key, ComponentLink4Description=https://datasheet.ciiva.com/162/cx7r-162345.pdf?src-supplier=Digi-Key, ComponentLink4URL=https://datasheet.ciiva.com/162/cx7r-162345.pdf?src-supplier=Digi-Key, ComponentLink5Description=https://datasheet.ciiva.com/162/cx7r-162346.pdf?src-supplier=Digi-Key, ComponentLink5URL=https://datasheet.ciiva.com/162/cx7r-162346.pdf?src-supplier=Digi-Key, ComponentLink6Description=https://datasheet.ciiva.com/17494/cx7r-17494874.pdf?src-supplier=Avnet+Europe, ComponentLink6URL=https://datasheet.ciiva.com/17494/cx7r-17494874.pdf?src-supplier=Avnet+Europe, ComponentLink7Description=https://datasheet.ciiva.com/14594/70001075-14594669.pdf?src-supplier=Allied+Electronics, ComponentLink7URL=https://datasheet.ciiva.com/14594/70001075-14594669.pdf?src-supplier=Allied+Electronics, ComponentLink8Description=https://datasheet.ciiva.com/7811/cx7r-7811999.pdf?src-supplier=Element14, ComponentLink8URL=https://datasheet.ciiva.com/7811/cx7r-7811999.pdf?src-supplier=Element14, Contact Plating=Tin,Matte, Depth=1.25mm, Height=1.4mm, Lead Free="Lead Free", Length=2.01mm, Manufacturer Part Number=08053C224JAT2A, Mount="Surface Mount,PCB", Number of Pins=2, Packaging="Tape and Reel", Pricing 1="1=0.28000, 10=0.19000, 100=0.09600, 500=0.09400, 1000=0.09400, 2000=0.09400 (USD)", Radiation Hardening=No, REACH SVHC="No SVHC", RoHS=Yes, Stock 1=712, Supplier 1=Mouser, Termination=SMD/SMT, Thickness=0.055inch, Voltage Rating=25V, Voltage Rating (DC)=25V, Width=1.25mm
C27 C28 C29 C51 C59: library part C3216X5R1H106K160AB, "CAP CER 10UF 50V X5R 1206", Capacitance=10uF, Case Code (Imperial)=1206, Case Code (Metric)=3216, Dielectric=X5R, Dielectric Material=Ceramic, Manufacturer=TDK, Max Operating Temperature=85°C, Min Operating Temperature=-55°C, Package Quantity=1, Supplier Part Number 1=810-C3216X5R1H106K, Tolerance=10%, Voltage=50V, Case/Package=1206, Category="Ceramic Capacitors", ComponentLink1Description=https://datasheet.ciiva.com/24216/c3216x5r1h106k160ab-265364-24216574.pdf?src-supplier=Mouser, ComponentLink1URL=https://datasheet.ciiva.com/24216/c3216x5r1h106k160ab-265364-24216574.pdf?src-supplier=Mouser, ComponentLink2Description=https://datasheet.ciiva.com/6285/tdkmlcccaprange-6285895.pdf?src-supplier=Digi-Key, ComponentLink2URL=https://datasheet.ciiva.com/6285/tdkmlcccaprange-6285895.pdf?src-supplier=Digi-Key, ComponentLink3Description=https://datasheet.ciiva.com/24365/1865c3216x5r1h106k160ab-24365495.pdf?src-supplier=Onlinecomponents.com, ComponentLink3URL=https://datasheet.ciiva.com/24365/1865c3216x5r1h106k160ab-24365495.pdf?src-supplier=Onlinecomponents.com, ComponentLink4Description=https://datasheet.ciiva.com/22719/1796654-22719560.pdf?src-supplier=Element14, ComponentLink4URL=https://datasheet.ciiva.com/22719/1796654-22719560.pdf?src-supplier=Element14, ComponentLink5Description=https://datasheet.ciiva.com/28659/mlcc-commercial-general-en-28659437.pdf?src-supplier=Element14, ComponentLink5URL=https://datasheet.ciiva.com/28659/mlcc-commercial-general-en-28659437.pdf?src-supplier=Element14, ComponentLink6Description=https://datasheet.ciiva.com/17487/e412-c-17487294.pdf?src-supplier=Avnet+Europe, ComponentLink6URL=https://datasheet.ciiva.com/17487/e412-c-17487294.pdf?src-supplier=Avnet+Europe, ComponentLink7Description=https://datasheet.ciiva.com/6285/tdkmlcccaprange-6285893.pdf?src-supplier=Digi-Key, ComponentLink7URL=https://datasheet.ciiva.com/6285/tdkmlcccaprange-6285893.pdf?src-supplier=Digi-Key, ComponentLink8Description=https://datasheet.ciiva.com/22725/1913358-22725589.pdf?src-supplier=Element14, ComponentLink8URL=https://datasheet.ciiva.com/22725/1913358-22725589.pdf?src-supplier=Element14, ComponentLink9Description=https://datasheet.ciiva.com/23803/1796654-23803045.pdf?src-supplier=Newark, ComponentLink9URL=https://datasheet.ciiva.com/23803/1796654-23803045.pdf?src-supplier=Newark, ComponentLink10Description=https://datasheet.ciiva.com/28452/1796654-28452010.pdf?src-supplier=Element14, ComponentLink10URL=https://datasheet.ciiva.com/28452/1796654-28452010.pdf?src-supplier=Element14, Composition=Ceramic, Depth=1.6mm, Height=1.6mm, Lead Free="Lead Free", Length=3.2mm, Manufacturer Part Number=C3216X5R1H106K160AB, Mount="Surface Mount", Packaging="Tape and Reel", Pricing 1="1=0.88000, 10=0.73100, 100=0.51800, 500=0.40900, 1000=0.35200, 2000=0.28700 (USD)", Radiation Hardening=No, REACH SVHC="No SVHC", RoHS=Yes, Stock 1=145018, Supplier 1=Mouser, Termination=SMD/SMT, Thickness=0.071inch, Voltage Rating=50V, Voltage Rating (DC)=50V, Weight=0.000571oz, Width=0.063inch